# Allegro board MB1167.brd (continued)
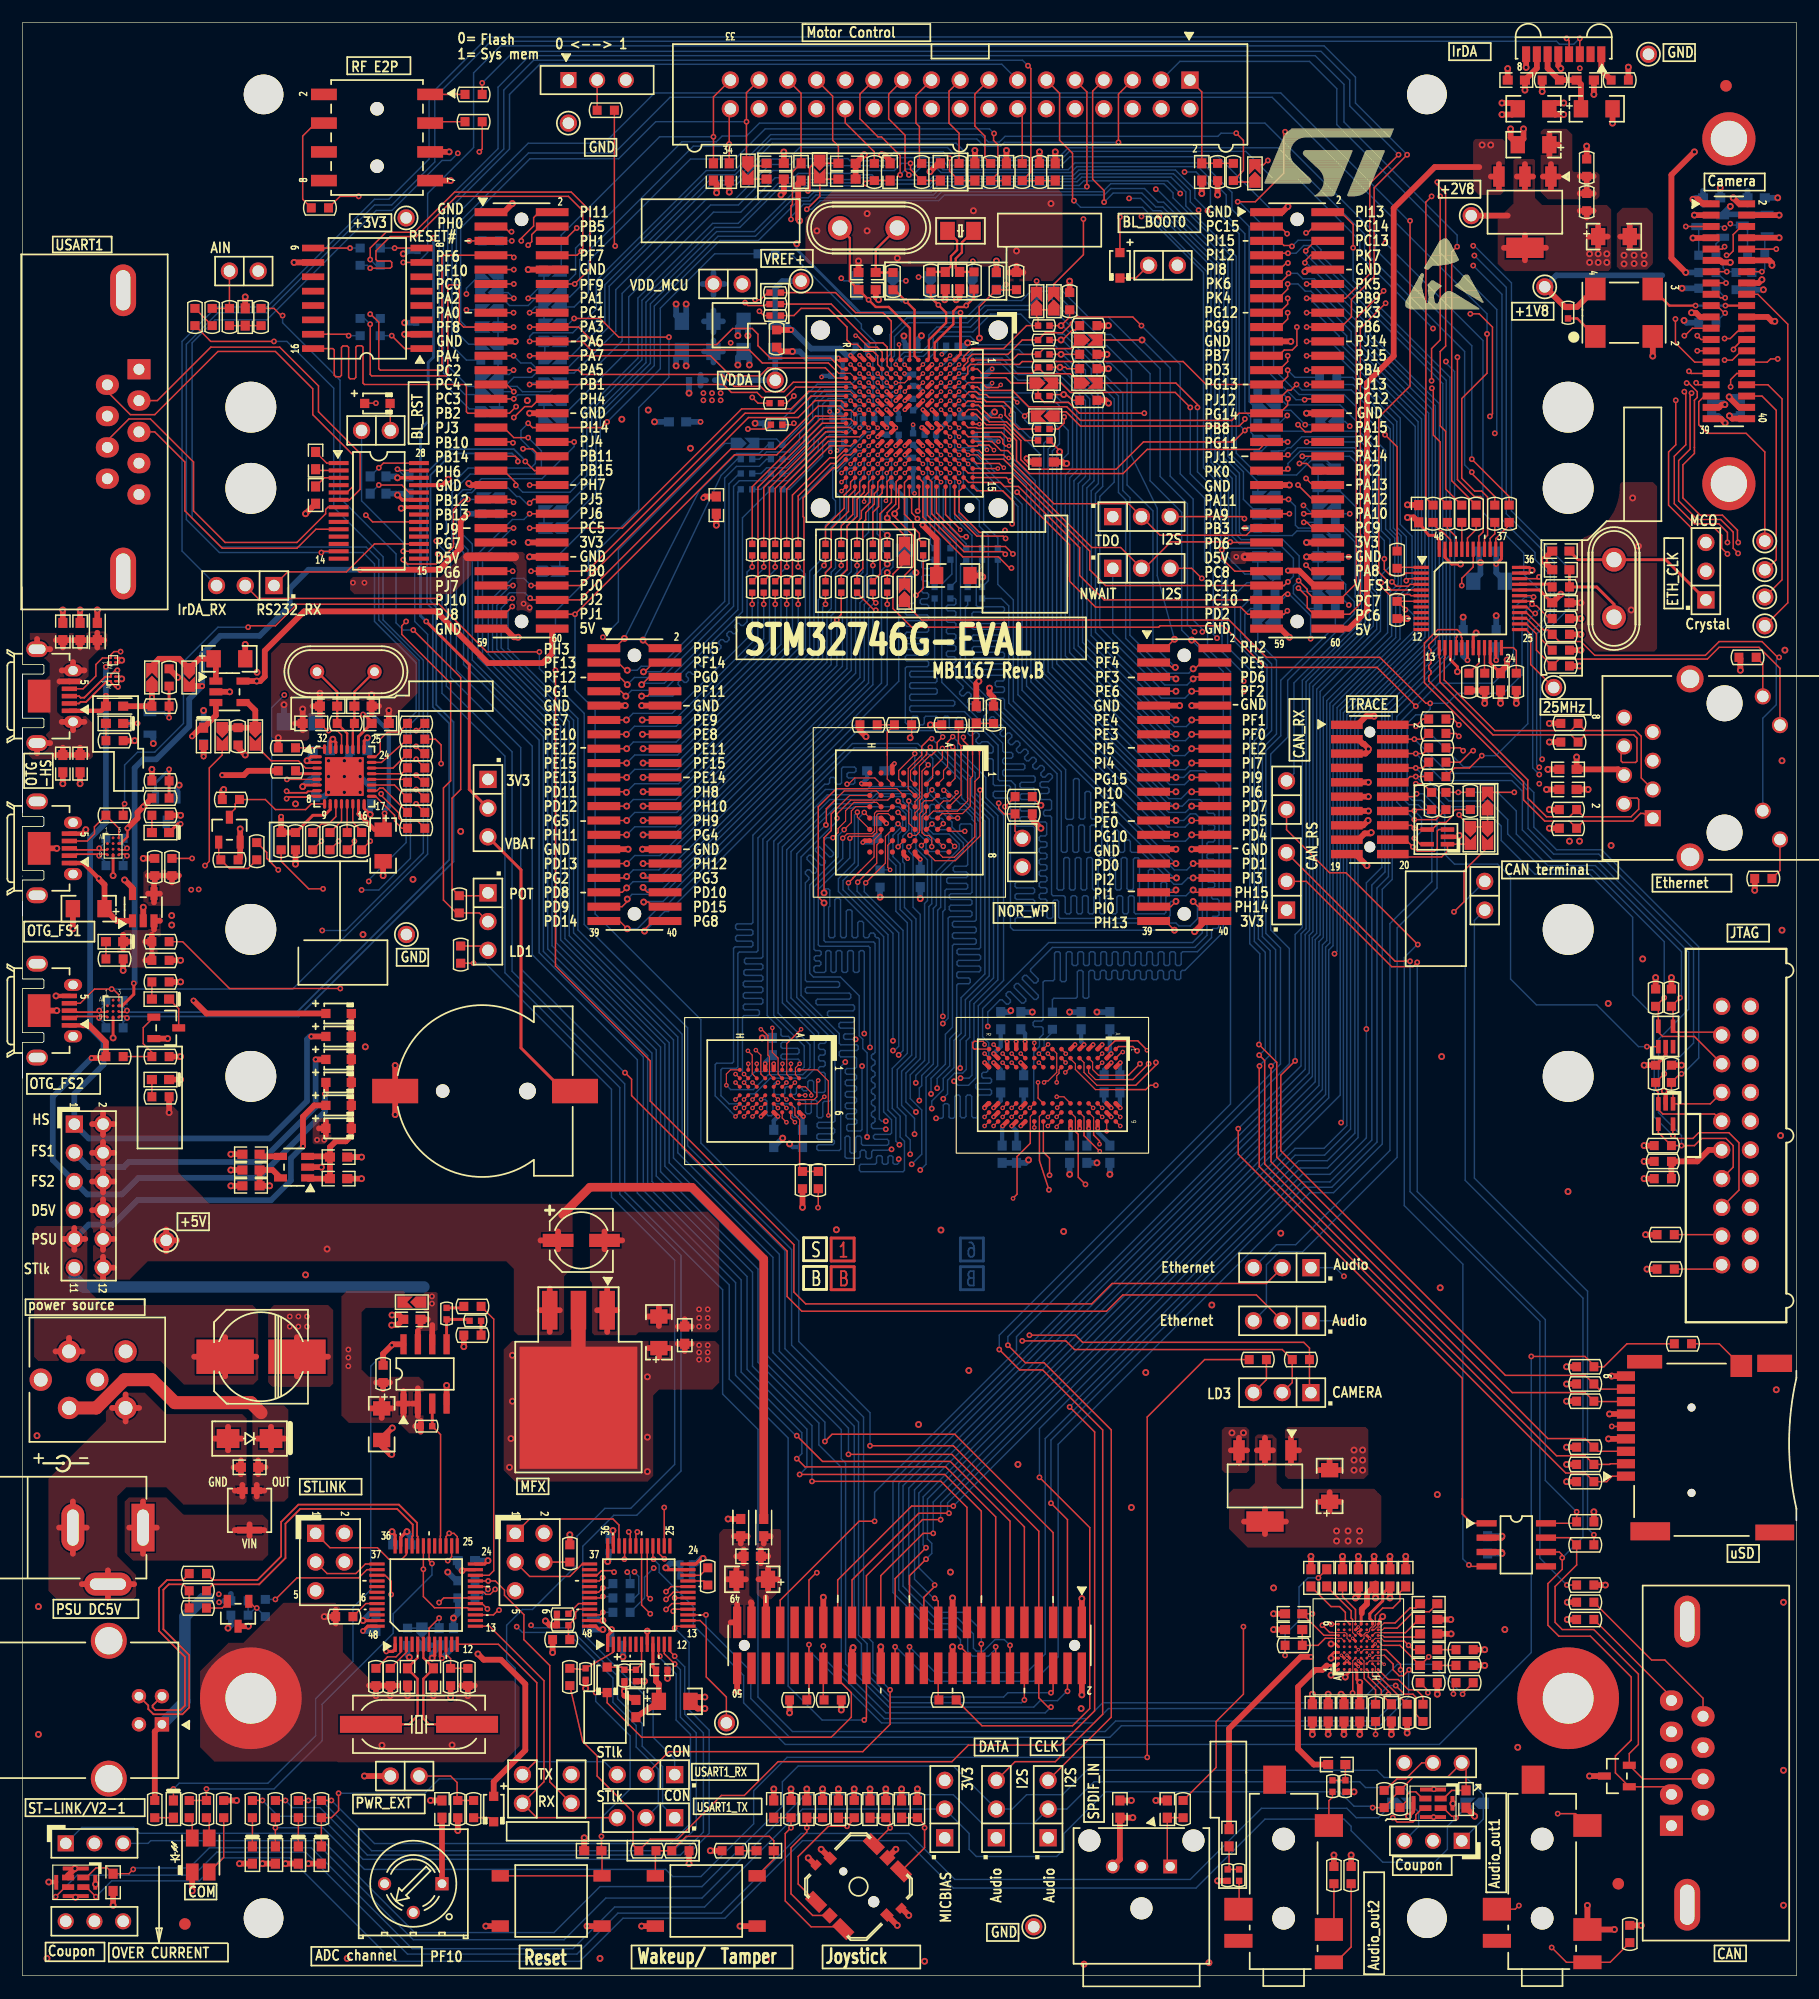
[diagram p0: board, top side]
## Routing (per net, layer and track width the routed paths; a pad name or vN(x,y) marks a point on that pad's centre or on a via; arc(x,y) is an arc through that point) (continued)
D24: length 118.1
  TOP w0.127: v5(97.28,81.68) 97.2,81.68 U13.A2 ; v3(101.98,95.01) 101.85,94.88 101.85,94.87 101.52,94.54 CN11.37
  L4_SIG w0.102: v3(101.98,95.01) 101.94,95.01 100.91,93.97 100.91,93.83 101.6,93.13 101.6,92.96 101.48,92.85 101.31,92.85 100.62,93.54 100.47,93.54 100.33,93.4 100.33,93.25 101.47,92.11 101.47,91.97 101.33,91.83 101.18,91.83 100.04,92.96 99.9,92.96 99.76,92.82 99.76,92.68 100.89,91.54 100.89,91.39 100.75,91.25 100.61,91.25 99.47,92.39 99.32,92.39 99.18,92.25 99.18,92.1 100.32,90.96 100.32,90.82 100.18,90.68 100.03,90.68 98.89,91.81 98.75,91.81 98.61,91.67 98.61,91.53 99.74,90.39 99.74,90.24 99.6,90.1 99.46,90.1 98.32,91.24 98.17,91.24 98.03,91.1 98.03,90.95 99.17,89.81 99.17,89.67 99.02,89.52 98.87,89.52 97.71,90.68 97.56,90.68 97.42,90.54 97.42,90.39 98.59,89.23 98.59,89.09 98.44,88.94 98.3,88.94 97.35,89.89 97.18,89.89 97.06,89.77 97.06,89.6 98.01,88.65 98.01,88.51 97.83,88.34 97.69,88.34 97.43,88.6 97.28,88.6 97.14,88.45 97.14,88.31 97.4,88.05 97.4,87.9 97.28,87.78 v5(97.28,81.68)
  BOTTOM w0.127: R270.1 82.17,125.09 82.17,123.95 81.28,123.06 81.28,114.38 86.66,108.99 86.66,108.31 86.79,108.18 87.43,108.18 87.55,108.05 87.55,107.8 87.43,107.67 86.79,107.67 86.66,107.54 86.66,107.29 86.79,107.16 88.49,107.16 88.62,107.04 88.62,106.78 88.49,106.65 86.79,106.65 86.66,106.53 86.66,106.22 86.79,106.1 89.41,106.1 89.53,105.97 89.53,105.66 89.41,105.54 88.32,105.54 88.19,105.41 88.19,105.16 88.32,105.03 89.41,105.03 89.53,104.9 89.53,104.65 89.41,104.52 88.32,104.52 88.19,104.39 88.19,104.14 88.32,104.01 89.41,104.01 89.53,103.89 89.53,103.63 89.41,103.51 88.32,103.51 88.19,103.38 88.19,103.12 88.32,103 89.41,103 89.53,102.87 89.53,102.62 89.41,102.49 88.32,102.49 88.19,102.36 88.19,102.16 88.32,102.03 90.42,102.03 90.55,101.9 90.55,100.92 90.42,100.79 90.02,100.79 89.89,100.67 89.89,100.41 90.02,100.29 90.45,100.29 90.58,100.16 90.58,99.9 90.45,99.78 90.02,99.78 89.89,99.65 89.89,99.4 90.02,99.27 90.45,99.27 90.58,99.14 90.58,98.89 90.45,98.76 90.02,98.76 89.89,98.63 89.89,98.38 90.02,98.25 90.45,98.25 90.58,98.13 90.58,97.87 90.45,97.75 90.02,97.75 89.89,97.62 89.89,97.36 90.02,97.24 90.45,97.24 90.58,97.11 90.58,96.86 90.45,96.73 90.02,96.73 89.89,96.6 89.89,96.35 90.02,96.22 90.45,96.22 90.58,96.09 90.58,95.84 90.45,95.71 90.02,95.71 89.89,95.59 89.89,95.33 90.02,95.21 90.45,95.21 90.58,95.08 90.58,94.82 90.45,94.7 90.02,94.7 89.89,94.57 89.89,94.32 90.02,94.19 90.45,94.19 90.58,94.06 90.58,93.62 90.7,93.5 90.97,93.5 91.1,93.62 91.1,95 91.23,95.12 91.48,95.12 91.61,95 91.61,93.62 91.74,93.5 101.22,93.5 101.47,93.75 101.47,94.92 101.55,95 101.97,95 v3(101.98,95.01)
D25: length 117.4
  TOP w0.102: v5(95.46,80.74) U13.C3
  TOP w0.127: CN11.35 101.78,95.81 v3(101.98,96.01)
  L4_SIG w0.102: v3(101.98,96.01) 101.7,96.01 96.29,90.6 96.29,82.08 95.9,81.69 95.9,78.97 95.78,78.84 95.59,78.84 95.46,78.97 v5(95.46,80.74)
  BOTTOM w0.127: R269.1 82.93,124.71 82.93,114.83 91.47,106.3 91.47,96.14 91.59,96.01 91.93,96.01 92.06,96.14 92.06,98.76 92.19,98.88 92.44,98.88 92.57,98.76 92.57,96.14 92.7,96.01 92.95,96.01 93.08,96.14 93.08,98.76 93.2,98.88 93.46,98.88 93.59,98.76 93.59,96.14 93.71,96.01 93.97,96.01 94.09,96.14 94.09,98.76 94.22,98.88 94.47,98.88 94.6,98.76 94.6,96.14 94.73,96.01 94.98,96.01 95.11,96.14 95.11,98.76 95.24,98.88 95.49,98.88 95.62,98.76 95.62,96.14 95.74,96.01 96,96.01 96.13,96.14 96.13,98.76 96.25,98.88 96.51,98.88 96.63,98.76 96.63,96.14 96.76,96.01 97.01,96.01 97.14,96.14 97.14,98.76 97.27,98.88 97.52,98.88 97.65,98.76 97.65,96.14 97.78,96.01 98.09,96.01 98.22,96.14 98.22,98.73 98.35,98.86 98.63,98.86 98.76,98.73 98.76,94.44 98.88,94.31 99.42,94.31 99.54,94.44 99.54,97.71 99.67,97.84 99.92,97.84 100.05,97.71 100.05,94.44 100.18,94.31 100.53,94.31 100.66,94.44 100.66,96.6 100.79,96.72 101.04,96.72 101.17,96.6 101.17,96.14 101.3,96.01 v3(101.98,96.01)
D26: length 117.1
  TOP w0.127: v1(98.55,81.79) 98.17,82.17 96.9,82.17 96.67,81.94 U13.A1 ; CN11.33 v3(102.03,97.08)
  L4_SIG w0.102: v1(98.55,81.79) 98.55,86.46 104.6,92.51 104.6,98.78 104.47,98.91 104.22,98.91 104.09,98.78 104.09,97.87 103.96,97.74 103.07,97.74 102.95,97.61 102.95,97.21 102.82,97.08 v3(102.03,97.08)
  BOTTOM w0.127: R268.1 84.84,124.59 84.33,124.08 84.33,121.18 84.45,121.06 86.69,121.06 86.82,120.93 86.82,120.72 86.69,120.59 84.07,120.59 83.95,120.46 83.95,120.21 84.07,120.08 86.69,120.08 86.82,119.96 86.82,119.7 86.69,119.58 84.07,119.58 83.95,119.45 83.95,119.19 84.07,119.07 86.69,119.07 86.82,118.94 86.82,118.69 86.69,118.56 84.07,118.56 83.95,118.43 83.95,118.18 84.07,118.05 86.69,118.05 86.82,117.92 86.82,117.67 86.69,117.54 84.1,117.54 83.97,117.42 83.97,117.16 84.1,117.04 86.69,117.04 86.82,116.91 86.82,116.65 86.69,116.53 84.1,116.53 83.97,116.4 83.97,116.15 84.1,116.02 86.69,116.02 86.82,115.89 86.82,115.64 86.69,115.51 84.07,115.51 83.95,115.38 83.95,115.13 84.07,115 86.69,115 86.82,114.88 86.82,114.62 86.69,114.5 86.13,114.5 86,114.37 86,114.11 86.13,113.99 86.69,113.99 86.82,113.86 86.82,113.61 86.69,113.48 85.9,113.48 85.78,113.35 85.78,113.1 85.9,112.97 86.69,112.97 86.82,112.84 86.82,112.06 92.23,106.65 92.23,102.39 92.35,102.26 92.79,102.26 92.92,102.39 92.92,105.74 93.05,105.87 93.3,105.87 93.43,105.74 93.43,102.41 93.56,102.29 93.81,102.29 93.94,102.41 93.94,104.6 94.06,104.72 94.32,104.72 94.45,104.6 94.45,102.41 94.57,102.29 94.83,102.29 94.95,102.41 94.95,103.58 95.08,103.71 95.33,103.71 95.46,103.58 95.46,102.41 95.59,102.29 96.6,102.29 101.8,97.08 v3(102.03,97.08)
D27: length 112.7
  TOP w0.102: v5(95.46,81.54) U13.C2
  TOP w0.127: CN11.34 v3(103.5,97.08)
  L4_SIG w0.102: v5(95.46,81.54) 95.46,81.77 95.94,82.25 95.94,85.71 95.83,85.81 94.86,85.81 94.74,85.93 94.74,86.1 94.86,86.22 95.83,86.22 95.94,86.32 95.94,86.52 95.83,86.62 94.77,86.62 94.67,86.72 94.67,86.93 94.77,87.03 95.83,87.03 95.94,87.13 95.94,87.33 95.83,87.43 94.77,87.43 94.67,87.54 94.67,87.74 94.77,87.84 95.83,87.84 95.94,87.94 95.94,88.15 95.83,88.25 94.77,88.25 94.67,88.35 94.67,88.55 94.77,88.65 95.83,88.65 95.94,88.76 95.94,88.96 95.83,89.06 94.77,89.06 94.67,89.16 94.67,89.37 94.77,89.47 95.83,89.47 95.94,89.57 95.94,89.77 95.83,89.87 94.77,89.87 94.67,89.97 94.67,90.18 94.77,90.28 95.82,90.28 95.94,90.4 95.94,90.75 96.08,90.9 96.08,91.04 95.64,91.48 95.64,91.63 95.78,91.77 95.93,91.77 96.37,91.33 96.51,91.33 96.65,91.47 96.65,91.62 96.21,92.06 96.21,92.2 96.36,92.35 96.5,92.35 96.94,91.9 97.09,91.9 97.23,92.05 97.23,92.19 96.79,92.63 96.79,92.78 96.93,92.92 97.08,92.92 97.52,92.48 97.66,92.48 97.8,92.62 97.8,92.77 97.36,93.21 97.36,93.35 97.51,93.5 97.65,93.5 98.09,93.05 98.24,93.05 98.38,93.2 98.38,93.34 97.94,93.78 97.94,93.93 98.08,94.07 98.23,94.07 98.67,93.63 98.81,93.63 98.96,93.77 98.96,93.92 98.51,94.36 98.51,94.5 98.66,94.65 98.8,94.65 99.24,94.2 99.39,94.2 99.53,94.35 99.53,94.49 99.09,94.93 99.09,95.08 99.23,95.22 99.38,95.22 99.82,94.78 99.96,94.78 100.11,94.92 100.11,95.07 99.66,95.51 99.66,95.65 99.81,95.8 99.95,95.8 100.39,95.35 100.54,95.35 100.68,95.5 100.68,95.64 100.24,96.08 100.24,96.23 100.38,96.37 100.53,96.37 100.97,95.93 101.11,95.93 101.26,96.07 101.26,96.22 100.81,96.66 100.81,96.8 100.96,96.95 101.1,96.95 101.53,96.52 103.28,96.52 103.5,96.75 v3(103.5,97.08)
  BOTTOM w0.127: v3(103.5,97.08) 103.05,97.08 102.49,96.52 101.8,96.52 98.98,99.34 98.08,99.34 97.95,99.47 97.95,100.3 97.82,100.43 97.57,100.43 97.44,100.3 97.44,99.47 97.32,99.34 97.06,99.34 96.94,99.47 96.94,101.17 96.81,101.3 96.55,101.3 96.43,101.17 96.43,99.47 96.3,99.34 96.05,99.34 95.92,99.47 95.92,101.63 95.79,101.75 95.54,101.75 95.41,101.63 95.41,99.47 95.28,99.34 95.03,99.34 94.9,99.47 94.9,101.63 94.78,101.75 94.52,101.75 94.4,101.63 94.4,99.47 94.27,99.34 94.01,99.34 93.89,99.47 93.89,101.63 93.76,101.75 93.51,101.75 93.38,101.63 93.38,99.47 93.25,99.34 93,99.34 92.87,99.47 92.87,101.63 92.74,101.75 92.49,101.75 92.36,101.63 92.36,99.47 92.24,99.34 91.97,99.34 91.85,99.47 91.85,106.48 83.36,114.96 83.36,121.01 83.57,121.21 R277.1
D28: length 116.3
  TOP w0.127: CN11.22 v3(103.38,104.7) ; U13.B1 96.6,82.68 98.6,82.68 99.42,81.86 v5(99.42,81.84)
  L4_SIG w0.102: v3(103.38,104.7) 103.73,104.7 103.86,104.57 103.86,102.52 103.96,102.41 105.32,102.41 105.44,102.3 105.44,102.13 105.32,102.01 103.96,102.01 103.86,101.91 103.86,101.7 103.96,101.6 105.31,101.6 105.41,101.5 105.41,101.3 105.31,101.2 103.96,101.2 103.86,101.09 103.86,100.79 103.99,100.66 105.23,100.66 105.36,100.53 105.36,86.66 105.23,86.54 105.02,86.54 104.92,86.64 104.92,91.5 104.8,91.62 104.63,91.62 104.51,91.5 104.51,86.64 104.41,86.54 104.21,86.54 104.1,86.64 104.1,90.69 103.98,90.81 103.82,90.81 103.7,90.69 103.7,86.64 103.6,86.54 103.39,86.54 103.29,86.64 103.29,89.85 103.17,89.97 103,89.97 102.88,89.85 102.88,86.64 102.78,86.54 102.58,86.54 102.48,86.64 102.48,89.06 102.36,89.18 102.19,89.18 102.07,89.06 102.07,86.64 101.97,86.54 101.77,86.54 101.67,86.64 101.67,88.25 101.55,88.37 101.38,88.37 101.26,88.25 101.26,86.64 101.16,86.54 100.95,86.54 100.85,86.64 100.85,87.4 100.75,87.5 100.55,87.5 100.45,87.4 100.45,86.66 100.32,86.54 99.54,86.54 99.42,86.41 v5(99.42,81.84)
  BOTTOM w0.127: R250.1 90.3,135.51 90.3,115.16 101.37,104.09 102.44,104.09 103.05,104.7 v3(103.38,104.7)
D29: length 115
  TOP w0.102: 97.73,79.63 95.12,79.63 94.61,80.14 94.61,80.78 U13.D2
  TOP w0.127: 97.73,79.63 97.79,79.63 v1(98.81,80.64) ; CN11.18 v3(103.38,107.24)
  L4_SIG w0.102: v3(103.38,107.24) 104.83,107.24 106.4,105.66 106.4,81.74 106.27,81.61 105.91,81.61 105.81,81.51 105.81,79.93 105.71,79.83 105.5,79.83 105.4,79.93 105.4,81.51 105.3,81.61 105.1,81.61 105,81.51 105,79.93 104.9,79.83 104.69,79.83 104.59,79.93 104.59,81.51 104.49,81.61 104.29,81.61 104.18,81.51 104.18,79.93 104.08,79.83 103.88,79.83 103.78,79.93 103.78,81.51 103.68,81.61 103.47,81.61 103.37,81.51 103.37,79.93 103.27,79.83 103.07,79.83 102.96,79.93 102.96,81.51 102.86,81.61 102.66,81.61 102.56,81.51 102.56,79.93 102.46,79.83 102.25,79.83 102.15,79.93 102.15,81.51 102.05,81.61 101.85,81.61 101.75,81.51 101.75,79.93 101.64,79.83 101.44,79.83 101.34,79.93 101.34,81.51 101.24,81.61 101.09,81.61 100.97,81.48 100.97,79.96 100.84,79.83 99.44,79.83 99.26,79.65 99.26,75.18 99.14,75.06 98.93,75.06 98.81,75.18 v1(98.81,80.64)
  BOTTOM w0.127: R245.1 91.66,138.85 91.66,137.45 92.46,136.65 92.46,134.61 91.82,133.98 91.82,116.38 101.55,106.65 102.79,106.65 v3(103.38,107.24)
D30: length 114.2
  TOP w0.102: U13.D3 94.26,79.86 94.87,79.25 97.73,79.25
  TOP w0.127: 97.73,79.25 98.17,79.25 v1(99.57,80.64) ; CN11.20 v3(103.38,105.97)
  L4_SIG w0.102: v3(103.38,105.97) 105.49,105.97 106.07,105.38 106.07,82.14 105.94,82.02 105.74,82.02 105.61,82.14 105.61,84.05 105.49,84.18 105.26,84.18 105.16,84.07 105.16,82.02 105.06,81.92 104.86,81.92 104.76,82.02 104.76,84.07 104.65,84.18 104.45,84.18 104.35,84.07 104.35,82.02 104.25,81.92 104.04,81.92 103.94,82.02 103.94,84.07 103.84,84.18 103.64,84.18 103.54,84.07 103.54,82.02 103.43,81.92 103.23,81.92 103.13,82.02 103.13,84.07 103.03,84.18 102.83,84.18 102.72,84.07 102.72,82.02 102.62,81.92 102.42,81.92 102.32,82.02 102.32,84.07 102.22,84.18 102.01,84.18 101.91,84.07 101.91,82.02 101.81,81.92 101.61,81.92 101.5,82.02 101.5,84.07 101.4,84.18 101.2,84.18 101.1,84.07 101.1,82.02 101,81.92 100.79,81.92 100.69,82.02 100.69,84.07 100.59,84.18 100.25,84.18 100.13,84.05 100.13,81.4 100.23,81.3 100.53,81.3 100.66,81.17 100.66,80.26 100.53,80.14 100.08,80.14 v1(99.57,80.64)
  BOTTOM w0.127: v3(103.38,105.97) 102.74,105.33 101.42,105.33 91.06,115.7 91.06,134.84 91.68,135.47 91.68,136.82 91.27,137.23 91.27,137.83 R246.1
D31: length 114.4
  TOP w0.102: U13.E2 93.85,80.75 93.85,79.88 95,78.74 97.73,78.74
  TOP w0.127: v1(100.21,80.76) 100.21,80.53 98.42,78.74 97.73,78.74 ; CN11.21 v3(101.98,104.7)
  L4_SIG w0.102: v3(101.98,104.7) 101.98,105.22 102.04,105.28 105.56,105.28 105.74,105.11 105.74,104.9 105.64,104.8 104.29,104.8 104.19,104.7 104.19,104.5 104.29,104.4 105.64,104.4 105.74,104.29 105.74,104.09 105.64,103.99 104.29,103.99 104.19,103.89 104.19,103.68 104.29,103.58 105.64,103.58 105.74,103.48 105.74,103.28 105.64,103.18 104.29,103.18 104.19,103.07 104.19,102.87 104.29,102.77 105.64,102.77 105.74,102.67 105.74,84.61 105.61,84.48 105.36,84.48 105.23,84.61 105.23,86.03 105.11,86.16 104.88,86.16 104.78,86.06 104.78,84.58 104.68,84.48 104.48,84.48 104.38,84.58 104.38,86.06 104.28,86.16 104.07,86.16 103.97,86.06 103.97,84.58 103.87,84.48 103.67,84.48 103.56,84.58 103.56,86.06 103.46,86.16 103.26,86.16 103.16,86.06 103.16,84.58 103.06,84.48 102.85,84.48 102.75,84.58 102.75,86.06 102.65,86.16 102.45,86.16 102.34,86.06 102.34,84.58 102.24,84.48 102.04,84.48 101.94,84.58 101.94,86.06 101.84,86.16 101.63,86.16 101.53,86.06 101.53,84.58 101.43,84.48 101.23,84.48 101.13,84.58 101.13,86.06 101.02,86.16 100.82,86.16 100.72,86.06 100.72,84.58 100.62,84.48 100.41,84.48 100.31,84.58 100.31,86.06 100.21,86.16 99.9,86.16 99.8,86.06 99.8,81.17 100.2,80.76 v1(100.21,80.76)
  BOTTOM w0.127: R248.1 91.3,136.66 91.3,135.62 90.68,135 90.68,115.32 101.35,104.65 101.93,104.65 v3(101.98,104.7)
E5V: length 46.2
  TOP w0.508: 2.91,55.21 L3.3 ; L3.3 4.1,56.4 ; L3.3 5.3,55.21 ; C58.1 20.65,54.74 ; C58.1 17.91,56.46 ; C58.1 17.91,53.01 ; C58.1 15.16,54.74 ; D11.1 25.78,76.96 24.79,75.97 v1(24.79,73.36) ; 4.57,65.15 4.57,66.12 ; 4.57,65.15 3.61,65.15 ; 4.57,65.15 5.54,65.15 ; 4.57,65.15 4.57,64.19
  BOTTOM w0.508: v1(24.79,73.36) 23.72,72.29 23.72,70.33 21.97,68.58 10.16,68.58 8,66.42 5.84,66.42 4.57,65.15
I2C1_SCL_C: length 5.9
  TOP w0.127: v1(150.69,150.69) CN4.13
  BOTTOM w0.127: T4.2 149.73,153.14 R183.2 150.37,151.51 150.37,151.02 v1(150.69,150.69) 151.44,150.69 R230.1
I2C1_SDA_C: length 5.6
  TOP w0.127: v1(153.8,150.69) CN4.14
  BOTTOM w0.127: R234.1 153.73,150.62 v1(153.8,150.69) 154.05,150.95 R298.2 154.05,153.65 T5.2
LCD_B0: length 171.1
  TOP w0.127: CN6.27 111.1,139.45 111.86,140.21 112.14,140.21 v1(112.65,140.72) ; CN20.21 80.96,33.12 80.71,33.37 v1(80.64,33.37) ; U4.B10 83.63,135.27 84.43,135.27 84.51,135.36 85.44,135.36 85.88,134.91 v5(85.89,134.91)
  L4_SIG w0.102: v1(112.65,140.72) 109.98,140.72 108.58,139.32 99.19,139.32 95.12,135.25 90.93,135.25 89.41,133.73 86.92,133.73 86.92,133.73 86.61,133.73 85.89,134.45 v5(85.89,134.91)
  BOTTOM w0.127: v1(80.64,33.37) 80.55,33.37 78.87,35.05 78.87,42.96 114.63,78.72 114.63,91.44 115.01,91.82 115.01,113.08 120.7,118.77 120.7,122.15 121.64,123.09 121.64,127.2 120.93,127.91 120.93,136.79 117.48,140.24 113.13,140.24 v1(112.65,140.72)
LCD_B1: length 170.2
  TOP w0.127: CN20.23 79.69,33.46 80.64,34.42 v1(80.64,34.54) ; v5(87.22,135.28) 86.89,135.28 86.68,135.5 86.68,135.82 86.41,136.09 83.62,136.09 83.22,136.49 U4.B9 ; CN6.26 v1(113.54,140.72)
  L4_SIG w0.102: v5(87.22,135.28) 87.88,134.62 89.66,134.62 90.72,135.68 94.91,135.68 98.93,139.7 108.46,139.7 110.11,141.35 112.9,141.35 v1(113.54,140.72)
  BOTTOM w0.127: v1(80.64,34.54) 80.64,34.67 79.25,36.07 79.25,42.68 114.94,78.37 114.94,91.16 115.32,91.54 115.32,112.75 121.06,118.49 121.06,122.02 121.89,122.86 121.89,127.33 121.21,128.02 121.21,137.14 117.64,140.72 v1(113.54,140.72)
LCD_B2: length 174.4
  TOP w0.127: CN6.20 v1(113.54,144.53) ; v1(79.88,36.83) 78.42,35.37 CN20.25 ; U4.C9 v5(82.81,136.09)
  L4_SIG w0.102: v1(113.54,144.53) 113.03,145.03 111.12,145.03 107.31,141.22 97.16,141.22 92.96,137.03 85.7,137.03 84.75,136.09 v5(82.81,136.09)
  BOTTOM w0.127: v1(79.88,36.83) 80.39,37.34 80.39,38.23 80.01,38.61 80.01,42.15 115.49,77.63 115.49,90.7 115.87,91.08 115.87,112.29 121.79,118.21 121.79,121.64 123.14,122.99 123.14,137.01 115.62,144.53 v1(113.54,144.53)
LCD_B3: length 174.5
  TOP w0.127: v1(79.88,37.85) 77.15,35.12 CN20.27 ; CN6.22 v1(113.54,143.26) ; U4.D10 v5(82.01,135.29)
  L4_SIG w0.102: v1(113.54,143.26) 112.9,143.89 110.87,143.89 107.82,140.84 97.28,140.84 95.99,139.55 95.82,139.55 95.54,139.27 95.54,139.1 93.22,136.78 85.98,136.78 84.93,135.73 82.45,135.73 v5(82.01,135.29)
  BOTTOM w0.127: v1(113.54,143.26) 116.3,143.26 121.82,137.74 121.82,128.35 122.86,127.3 122.86,123.19 121.41,121.74 121.41,118.34 115.6,112.52 115.6,91.34 115.21,90.96 115.21,77.93 79.63,42.34 79.63,38.1 v1(79.88,37.85)
LCD_B4: length 180.6
  TOP w0.127: CN6.16 v1(113.54,147.07) ; U4.D8 v5(82.01,136.89) ; v1(80.52,39.12) 79.63,39.12 75.88,35.37 CN20.29
  L4_SIG w0.102: v1(113.54,147.07) 112.9,147.7 111,147.7 108.46,145.16 95.89,145.16 92.2,141.48 90.3,141.48 89.28,140.46 87.38,140.46 86.74,139.83 86.26,139.83 84.96,138.53 84.96,137.03 84.73,136.8 83.62,136.8 83.13,137.29 82.41,137.29 v5(82.01,136.89)
  BOTTOM w0.127: v1(113.54,147.07) 114.35,147.07 116.42,144.99 116.42,144.4 123.39,137.42 123.39,118.8 116.51,111.91 116.51,77.87 80.52,41.88 v1(80.52,39.12)
LCD_B5: length 185.6
  TOP w0.127: CN20.31 74.61,35.37 79.57,40.33 v1(81.18,40.33) ; U4.D7 v5(81.21,138.49) ; CN6.13 111.05,148.34 111.86,149.15 v1(111.86,149.61)
  L4_SIG w0.102: v5(81.21,138.49) 81.65,138.93 83.18,138.93 85.47,141.22 86.11,141.22 86.74,141.86 88.14,141.86 91.57,145.29 92.71,145.29 95.38,147.96 109.09,147.96 110.74,149.61 v1(111.86,149.61)
  BOTTOM w0.127: v1(81.18,40.33) 81.18,41.83 112.51,73.16 115.08,73.16 117.09,75.18 117.09,111.48 124,118.39 124,137.93 117.47,144.46 117.47,145.4 113.91,148.97 113.41,148.97 112.78,149.61 v1(111.86,149.61)
LCD_B6: length 185.3
  TOP w0.127: CN20.33 73.34,34.99 79.25,40.89 v1(81.92,40.89) ; CN6.12 v1(113.54,149.61) ; U4.C6 v5(82.81,139.29)
  L4_SIG w0.102: v1(113.54,149.61) 113.28,149.61 112.78,150.11 110.36,150.11 108.71,148.46 95.25,148.46 93.73,146.94 91.95,146.94 87.5,142.49 86.87,142.49 85.98,141.6 85.13,141.6 v5(82.81,139.29)
  BOTTOM w0.127: v1(113.54,149.61) 113.96,149.61 117.86,145.71 117.86,144.65 124.33,138.18 124.33,118.14 117.42,111.23 117.42,74.86 115.12,72.56 112.52,72.56 81.79,41.81 81.79,41.02 v1(81.92,40.89)
LCD_B7: length 187.6
  TOP w0.127: CN20.35 72.07,34.99 78.61,41.53 v1(82.3,41.53) ; CN6.11 111.1,149.61 111.86,150.37 111.86,150.47 v1(111.94,150.55) ; U4.C5 v5(82.81,140.09)
  L4_SIG w0.102: v5(82.81,140.09) 82.81,140.34 86.11,143.64 88.01,143.64 91.69,147.32 93.47,147.32 95.02,148.87 108.48,148.87 110.16,150.55 v1(111.94,150.55)
  BOTTOM w0.127: v1(82.3,41.53) 112.84,72.07 115.37,72.07 117.81,74.51 117.81,111.18 124.64,118.01 124.64,138.51 118.3,144.85 118.3,145.99 114.22,150.06 113.21,150.06 112.73,150.55 v1(111.94,150.55)
LCD_G0: length 180.3
  TOP w0.127: CN5.53 v1(43.36,122.94) ; CN20.4 v1(92.39,25.15) ; U4.J12 v5(77.21,133.69)
  L4_SIG w0.102: v5(77.21,133.69) 77.21,133.61 77.6,133.22 77.6,127.64 75.62,125.65 75.62,123.88 74.17,122.43 63.75,122.43 62.1,124.08 50.06,124.08 49.43,123.44 43.87,123.44 v1(43.36,122.94)
  BOTTOM w0.127: v1(92.39,25.15) 92.33,25.15 91.5,24.32 89.98,24.32 89.41,23.75 76.58,23.75 72.77,27.56 72.77,45.34 72.39,45.72 72.39,48.29 65.86,54.81 65.86,63.2 57.17,71.89 57.17,82.5 47.96,91.72 47.96,110.71 41.55,117.11 41.55,121.31 43.18,122.94 v1(43.36,122.94)
LCD_G1: length 176.8
  TOP w0.127: v1(90.93,25.02) 91.12,25.21 CN20.6 ; v1(43.3,121.09) 42.61,120.4 CN5.57 ; U4.H12 v5(78.01,133.69)
  L4_SIG w0.102: v5(78.01,133.69) 78.01,133.65 78.49,133.17 78.49,127.25 76.96,125.73 76.96,123.7 75.06,121.79 63.25,121.79 61.72,123.32 50.39,123.32 49.89,122.81 46.2,122.81 45.64,122.25 44.46,122.25 v1(43.3,121.09)
  BOTTOM w0.127: v1(43.3,121.09) 43.3,121.08 42.93,120.71 42.93,117.35 49.1,111.18 49.1,92.48 58.31,83.26 58.31,73.21 67.41,64.11 67.41,55.45 73.91,48.95 73.91,30.11 74.68,29.35 74.68,26.67 76.71,24.64 86.74,24.64 87.12,25.02 v1(90.93,25.02)
LCD_G2: length 184.1
  TOP w0.127: U4.J13 v5(77.21,132.89) ; CN5.45 v1(43.41,128.02) ; v1(90.93,23.75) 90.68,23.75 89.85,24.57 CN20.8
  L4_SIG w0.102: v1(43.41,128.02) 44.04,127.38 44.91,127.38 46.18,126.11 62.1,126.11 64.26,123.95 73.03,123.95 73.28,124.21 73.28,126.75 77.21,130.68 v5(77.21,132.89)
  BOTTOM w0.127: v1(43.41,128.02) 43.31,128.02 40.67,125.37 40.67,116.79 47.19,110.26 47.19,91.34 56.41,82.12 56.41,71.1 65.02,62.48 65.02,54.25 70.41,48.87 70.41,46.94 72.39,44.96 72.39,27.18 76.33,23.24 90.42,23.24 v1(90.93,23.75)
LCD_G3: length 174.5
  TOP w0.127: U4.H13 v5(78.01,132.89) ; CN5.55 43.18,121.67 v1(43.31,121.79) ; v1(88.58,24.38) CN20.10
  L4_SIG w0.102: v1(43.31,121.79) 44.02,122.5 45.31,122.5 45.92,123.11 49.66,123.11 50.24,123.7 61.98,123.7 63.5,122.17 74.55,122.17 75.95,123.57 75.95,125.35 78.01,127.41 v5(78.01,132.89)
  BOTTOM w0.127: v1(88.58,24.38) 88.33,24.13 76.71,24.13 74.17,26.67 74.17,29.34 73.53,29.97 73.53,48.59 66.91,55.21 66.91,63.79 57.93,72.77 57.93,83.01 48.72,92.23 48.72,111.02 42.32,117.42 42.32,120.93 43.18,121.79 v1(43.31,121.79)
LCD_G4: length 178.5
  TOP w0.127: U4.G12 v5(79.61,133.69) ; CN20.12 v1(87.31,29.21) ; CN6.35 111.76,134.37 v1(111.89,134.49)
  L4_SIG w0.102: v1(111.89,134.49) 98.07,134.49 94.26,130.68 87.76,130.68 86.79,131.65 81.08,131.65 80.77,131.95 80.77,133.08 80.52,133.33 79.97,133.33 v5(79.61,133.69)
  BOTTOM w0.127: v1(111.89,134.49) 112.12,134.49 112.75,135.13 117.78,135.13 119,133.91 119,127.56 119.35,127.2 119.35,122.68 119.74,122.3 119.74,119.08 114.43,113.77 114.43,92.18 114.05,91.8 114.05,79.52 77.85,43.32 77.85,34.44 80.67,31.62 82.68,31.62 84.07,30.23 84.07,28.96 84.33,28.7 84.96,28.7 85.98,29.72 86.8,29.72 v1(87.31,29.21)
LCD_G5: length 179.1
  TOP w0.127: CN20.14 v1(86.04,29.08) ; v1(111.89,133.25) 111.73,133.1 CN6.37 ; U4.G13 v5(79.61,132.89)
  L4_SIG w0.102: v1(111.89,133.25) 111.53,133.6 98.32,133.6 94.34,129.62 88.09,129.62 86.77,128.3 83.31,128.3 79.61,132 v5(79.61,132.89)
  BOTTOM w0.127: v1(111.89,133.25) 111.89,133.73 112.97,134.81 117.59,134.81 118.62,133.78 118.62,127.56 119.05,127.13 119.05,122.56 119.43,122.17 119.43,119.35 114.1,114.02 114.1,92.33 113.77,92 113.77,79.84 77.47,43.54 77.47,34.11 80.47,31.11 82.42,31.11 83.57,29.97 83.57,28.7 84.01,28.26 85.41,28.26 86.04,28.89 v1(86.04,29.08)
LCD_G6: length 172.9
  TOP w0.127: CN20.16 v1(84.77,29.34) ; U4.F12 v5(80.41,133.69) ; CN6.34 v1(113.54,135.64)
  L4_SIG w0.102: v5(80.41,133.69) 80.83,134.11 83.82,134.11 85.32,132.61 94.51,132.61 97.64,135.74 111.23,135.74 111.56,136.07 113.11,136.07 v1(113.54,135.64)
  BOTTOM w0.127: v1(113.54,135.64) 117.78,135.64 119.38,134.04 119.38,127.58 119.68,127.28 119.68,122.81 120.07,122.43 120.07,118.9 114.73,113.56 114.73,92.05 114.3,91.62 114.3,79.05 78.36,43.11 78.36,34.65 80.87,32.13 83.19,32.13 84.77,30.54 v1(84.77,29.34)
LCD_G7: length 173.1
  TOP w0.127: CN6.38 114.17,133.1 113.54,133.73 v1(112.9,133.73) ; v1(82.93,29.08) 83.5,28.51 CN20.18 ; U4.F13 v5(80.41,132.89)
  L4_SIG w0.102: v1(112.9,133.73) 112.62,134.01 98.22,134.01 94.39,130.18 87.76,130.18 86.74,131.19 81.03,131.19 80.41,131.81 v5(80.41,132.89)
  BOTTOM w0.127: v1(82.93,29.08) 82.93,29.72 82.04,30.61 80.24,30.61 76.96,33.88 76.96,43.71 113.41,80.16 113.41,92.08 113.79,92.46 113.79,114.22 119.08,119.51 119.08,122.05 118.75,122.38 118.75,127.05 118.24,127.56 118.24,133.48 117.35,134.37 113.79,134.37 113.16,133.73 v1(112.9,133.73)
LCD_R0: length 188.1
  TOP w0.127: CN6.5 111.12,153.42 111.53,153.01 112.06,153.01 112.14,152.93 v1(112.24,152.93) ; CN20.3 92.39,40.32 v1(90.93,41.78) ; U4.G4 v5(79.61,140.89)
  L4_SIG w0.102: v1(112.24,152.93) 110.46,152.93 110.16,153.24 92.28,153.24 87.96,148.92 85.49,148.92 84.88,148.31 84.87,148.31 80.85,144.29 80.85,141.62 80.56,141.33 80.24,141.33 79.8,140.89 v5(79.61,140.89)
  BOTTOM w0.127: v1(112.24,152.93) 112.78,153.47 113.97,153.47 114.81,152.64 114.81,152.15 125.88,141.08 125.88,116.97 120.78,111.86 120.78,97.21 119.76,96.19 119.76,73.72 115.77,69.72 113.28,69.72 90.93,47.37 v1(90.93,41.78)
LCD_R1: length 158.2
  TOP w0.127: v1(70.94,47.24) 71.58,47.88 82.42,47.88 91.12,39.18 CN20.5 ; v1(44.96,122.94) CN5.54 49.32,122.94 64.18,137.79 68.58,137.79 70.08,139.29 72.4,139.29 U4.R6
  BOTTOM w0.127: v1(70.94,47.24) 70.94,48.95 65.48,54.41 65.48,62.89 56.79,71.58 56.79,82.38 47.57,91.59 47.57,110.47 41.17,116.88 41.17,121.44 43.31,123.57 44.32,123.57 v1(44.96,122.94)
LCD_R2: length 143.8
  TOP w0.102: 71.63,137.92 72.64,137.92 U4.R7
  TOP w0.127: v1(74.93,46.86) 82.3,46.86 89.85,39.31 CN20.7 ; CN5.58 v1(48.84,120.4) 62.94,134.49 66.67,134.49 70.1,137.92 71.63,137.92
  BOTTOM w0.127: v1(74.93,46.86) 74.93,49.78 68.63,56.08 68.63,64.97 59.97,73.63 59.97,84.55 50.62,93.9 50.62,111.94 48.84,113.72 v1(48.84,120.4)
LCD_R3: length 154.4
  TOP w0.127: CN20.9 88.58,39.69 82.17,46.1 v1(73.03,46.1) ; U4.P7 73.24,138.46 72.66,138.46 72.3,138.81 70.36,138.81 66.55,135 62.61,135 49.28,121.67 CN5.56 45.03,121.67 v1(44.88,121.82)
  BOTTOM w0.127: v1(44.88,121.82) 44.4,122.3 43.05,122.3 41.94,121.18 41.94,117.3 48.34,110.9 48.34,91.97 57.55,82.76 57.55,72.32 66.34,63.53 66.34,55.09 73.03,48.41 v1(73.03,46.1)
LCD_R4: length 175.8
  TOP w0.102: U4.N8 v5(74.81,136.89)
  TOP w0.127: CN20.11 87.31,40.2 82.03,45.48 70.73,45.48 v1(68.45,47.75) ; v1(44.7,136.02) 43.43,136.02 42.55,136.91 CN5.31
  L4_SIG w0.102: v1(44.7,136.02) 44.83,136.14 54.03,136.14 56.62,133.55 66.55,133.55 68.78,135.79 73.18,135.79 73.66,136.27 74.19,136.27 v5(74.81,136.89)
  BOTTOM w0.127: v1(44.7,136.02) 45.87,134.85 45.87,133.35 45.31,132.79 39.58,132.79 37.97,131.19 37.97,126.87 38.99,125.86 38.99,115.95 45.67,109.27 45.67,90.46 54.89,81.25 54.89,69.45 63.04,61.29 63.04,53.09 68.38,47.75 v1(68.45,47.75)
LCD_R5: length 170.5
  TOP w0.127: CN5.34 v1(48.77,135.64) ; CN20.13 86.04,40.58 81.63,44.99 69.18,44.99 v1(68.45,45.72) ; U4.M9 v5(74.81,136.09)
  L4_SIG w0.102: v1(48.77,135.64) 53.9,135.64 56.49,133.05 66.6,133.05 68.81,135.25 73.41,135.25 74.04,135.89 74.55,135.89 74.75,136.09 v5(74.81,136.09)
  BOTTOM w0.127: v1(48.77,135.64) 48.77,135.23 45.92,132.38 40.57,132.38 39.59,131.41 38.95,131.41 38.35,130.81 38.35,127.13 39.38,126.1 39.38,116.22 46.05,109.55 46.05,90.58 55.27,81.36 55.27,69.8 63.54,61.53 63.54,53.38 68.9,48.01 68.9,46.17 v1(68.45,45.72)
LCD_R6: length 171
  TOP w0.127: v5(74.41,130.36) 74.41,130.8 74.8,131.19 74.8,132.08 U4.M14 ; v1(68.71,44.32) 81.53,44.32 84.77,41.08 CN20.15 ; v1(44.83,130.23) 45.16,130.56 CN5.42
  L4_SIG w0.102: v1(44.83,130.23) 49.2,130.23 49.96,129.46 62.83,129.46 65.55,126.75 71.37,126.75 74.41,129.78 v5(74.41,130.36)
  BOTTOM w0.127: v1(44.83,130.23) 44.83,130.18 44.58,130.18 43.94,130.81 43.69,130.81 42.93,131.57 40.13,131.57 39.71,131.15 39.34,131.15 38.73,130.55 38.73,127.64 39.76,126.61 39.76,116.34 46.43,109.68 46.43,90.8 55.65,81.59 55.65,70.23 64.06,61.82 64.06,53.62 69.35,48.33 69.35,44.97 v1(68.71,44.32)
LCD_R7: length 165.9
  TOP w0.127: v1(69.8,43.71) 81.2,43.71 83.5,41.41 CN20.17 ; CN5.44 v1(44.83,129.29) ; U4.K12 v5(76.41,133.69)
  L4_SIG w0.102: v5(76.41,133.69) 76.41,133.65 76.83,133.22 76.83,132.21 75.95,131.32 75.95,130.43 71.37,125.86 65.18,125.86 63.78,127.25 50.95,127.25 48.92,129.29 v1(44.83,129.29)
  BOTTOM w0.127: v1(69.8,43.71) 69.8,48.64 64.54,53.9 64.54,62.2 56.03,70.72 56.03,81.87 46.81,91.08 46.81,110.01 40.26,116.56 40.26,125.73 43.31,128.78 44.32,128.78 v1(44.83,129.29)
LED_STLINK: length 35.9
  TOP w0.127: U21.30 35.94,36.71 v1(36.2,36.45) ; v1(16.26,16.51) R202.1 R201.1
  BOTTOM w0.127: v1(36.2,36.45) 36.2,35.43 32.77,32 32.77,30.28 26.49,24 26.49,20.78 22.23,16.51 v1(16.26,16.51)
LOOP: length 11.1
  TOP w0.127: TP15.1 62.23,24.64 60.45,26.42 60.45,30.86 59.91,31.41 U22.14
MFX_SWCLK: length 7.6
  TOP w0.127: U22.37 49.49,36.41 48.39,35.31 44.83,35.31 CN19.3
MFX_SWDIO: length 11.8
  TOP w0.127: CN19.1 44.83,40.39 52.2,40.39 52.73,39.85 U22.34
MIC_CLK: length 130.9
  BOTTOM w0.127: CN27.3 11.09,11.7 11.33,11.94 25.78,11.94 34.54,3.17 47.88,3.17 51.56,6.86 60.07,6.86 69.22,16 82.3,16 84.84,13.46 89.41,13.46 JP19.2 92.33,14.73 94.74,17.14 118.24,17.14 118.75,16.64 122.17,16.64 122.68,16.13 SB20.1 123.44,14.48 123.44,13.19 CN24.3
MIC_DATA: length 145.9
  BOTTOM w0.127: CN24.1 128.4,13.07 128.4,13.08 129.16,13.84 SB21.2 129.16,16 127.64,17.53 120.4,17.53 119.76,18.16 94.11,18.16 91.95,16 88.77,16 87.5,14.73 JP18.2 82.3,18.54 68.58,18.54 67.18,17.14 67.18,14.99 60.07,7.87 51.05,7.87 46.99,3.81 34.67,3.81 25.89,12.59 10.32,12.59 9.8,13.11 5.23,13.11 3.83,11.7 CN27.1
MIC_VDD: length 154.7
  TOP w0.127: U25.1 5.63,8.68 6.48,9.53 7.49,9.53 8,9.02 9.4,9.02 v1(9.78,9.4) ; v1(119.38,14.86) R198.2 121.16,15.62 121.16,15.75 R199.2 123,17.59 126.03,17.59 CN24.4 127.64,18.43 C89.1 126.36,16.38 125.65,15.66 U24.1
  L4_SIG w0.102: CN27.4 3.81,7.24 5.97,9.4 v1(9.78,9.4)
  BOTTOM w0.127: v1(119.38,14.86) 119.25,14.99 117.73,14.99 116.46,16.26 95.76,16.26 92.08,12.57 92.08,11.18 91.44,10.54 84.33,10.54 83.69,11.18 83.69,12.57 JP17.2 68.96,14.73 60.3,6.07 52.35,6.07 48.67,2.39 34.44,2.39 25.53,11.3 16.51,11.3 14.73,9.53 9.91,9.53 v1(9.78,9.4)
